# Altium PCB LimeNet-Micro_2v1.PcbDoc (part 4 of 11)
Units mm, origin at the board's own origin, x right, y up, seen from the top; angles counter-clockwise.
Board outline 75 x 143 mm, 6 copper layers (Top, L2, L3, L4, L5, Bottom), stack 1.583 mm thick; 795 components, 565 nets, 3646 pads, 1420 vias.
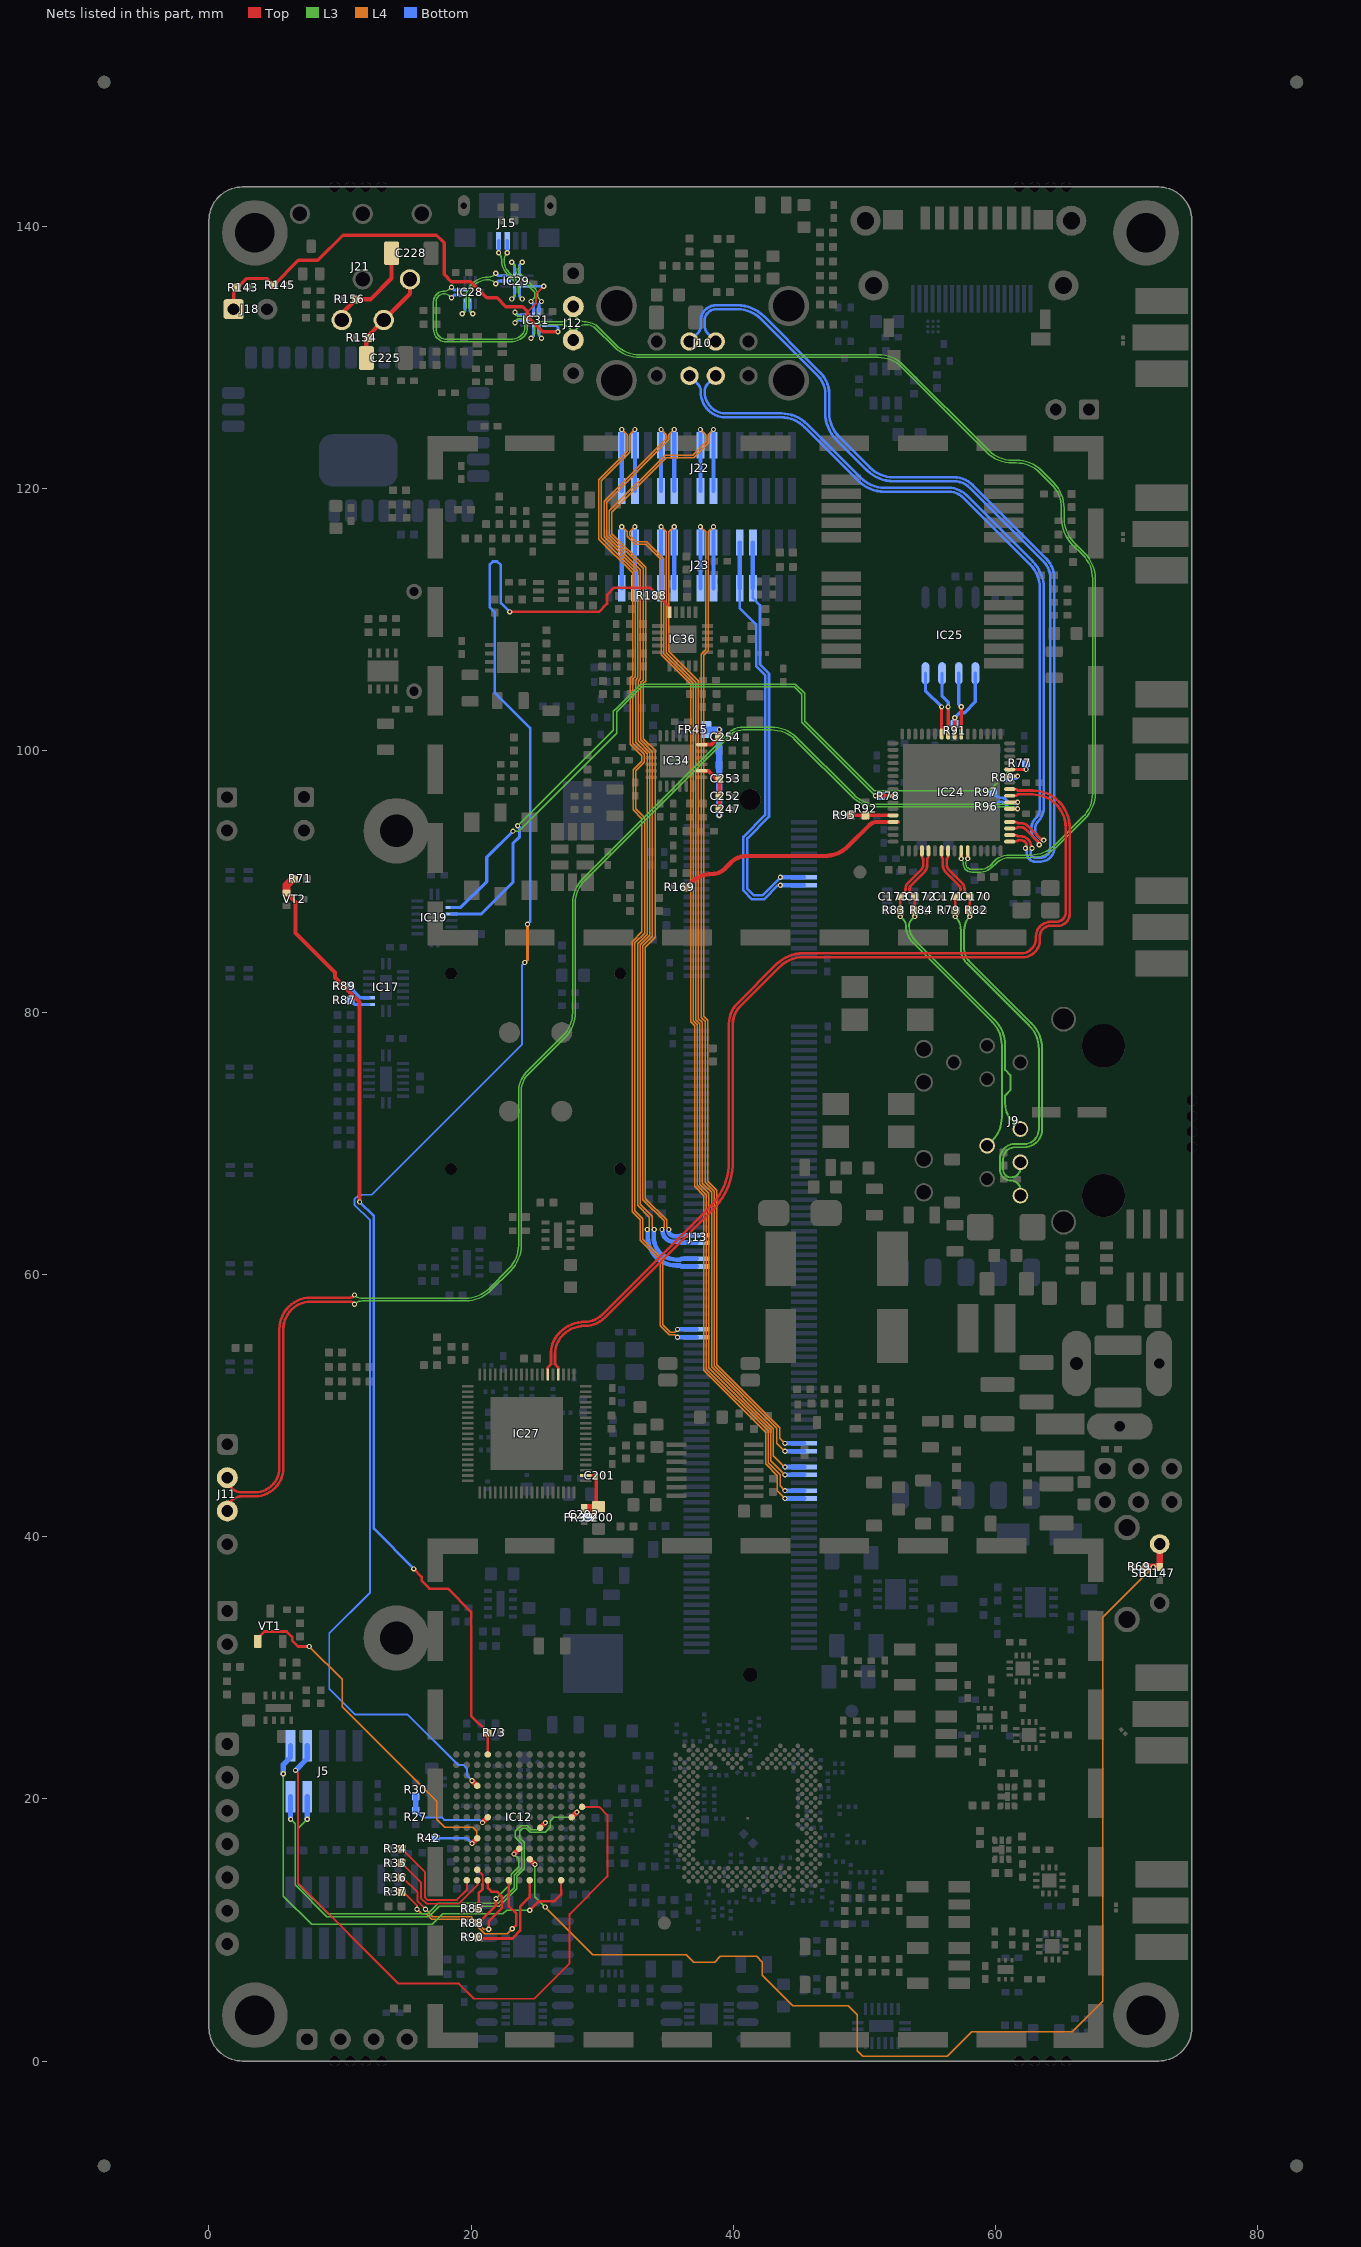
[diagram p8: the nets of this part, all layers, seen from the top]

## Part data (continued)
R86: library part Res_0402, Manufacturer=Yageo, Manufacturer Part Number 1=RC0402FR-071ML, Operating Temperature="-55°C ~ 155°C", Package / Case="0402 (1005 Metric)", Power (Watts)="0.063W, 1/16W", Supplier Device Package=0402, Supplier Part Number 1=311-1.00MLRCT-ND, Temperature Coefficient=±100ppm/°C, Tolerance=±1%, Category=Resistors, Composition="Thick Film", Failure Rate=-, Features="Moisture Resistant", Height - Seated (Max)="0.016\" (0.40mm)", Packaging="Cut Tape (CT)", Part Description="1 MOhms ±1% 0.063W, 1/16W Chip Resistor 0402 (1005 Metric) Moisture Resistant Thick Film", Part Status=Active, RoHS="RoHS Compliant", Size / Dimension="0.039\" L x 0.020\" W (1.00mm x 0.50mm)", Supplier 1=Digi-Key
R93: library part Res_0402, Manufacturer="Samsung Electro-Mechanics", Manufacturer Part Number 1=RC1005F123CS, Operating Temperature="-55°C ~ 155°C", Package / Case="0402 (1005 Metric)", Power (Watts)="0.063W, 1/16W", Supplier Device Package=0402, Supplier Part Number 1=1276-4122-1-ND, Temperature Coefficient=±100ppm/°C, Tolerance=±1%, Category=Resistors, Composition="Thick Film", Failure Rate=-, Features="Moisture Resistant", Height - Seated (Max)="0.016\" (0.40mm)", Packaging="Cut Tape (CT)", Part Description="12 kOhms ±1% 0.063W, 1/16W Chip Resistor 0402 (1005 Metric) Moisture Resistant Thick Film", Part Status=Active, RoHS="RoHS Compliant", Size / Dimension="0.039\" L x 0.020\" W (1.00mm x 0.50mm)", Supplier 1=Digi-Key
R94: library part Res_0402, Manufacturer=Yageo, Manufacturer Part Number=RT0402BRE0712K4L, Operating Temperature="-55°C ~ 155°C", Package / Case="0402 (1005 Metric)", Power (Watts)="0.063W, 1/16W", Supplier Device Package=0402, Supplier Part Number 1=YAG4337CT-ND, Temperature Coefficient=±50ppm/°C, Tolerance=±0.1%, Category=Resistors, Composition="Thin Film", Failure Rate=-, Features=-, Height - Seated (Max)="0.014\" (0.35mm)", Manufacturer Part Number 1=RT0402BRE0712K4L, Packaging="Cut Tape (CT)", Part Description="12.4 kOhms ±0.1% 0.063W, 1/16W Chip Resistor 0402 (1005 Metric)  Thin Film", Part Status=Active, RoHS="RoHS Compliant", Size / Dimension="0.039\" L x 0.020\" W (1.00mm x 0.50mm)", Supplier 1=Digi-Key
R100 R101 R160 R208: library part Res_0402, Manufacturer="Panasonic Electronic Components", Manufacturer Part Number 1=ERJ-2RKF4422X, Operating Temperature="-55°C ~ 155°C", Package / Case="0402 (1005 Metric)", Power (Watts)="0.1W, 1/10W", Resistance (Ohms)=44.2k, Supplier Device Package=0402, Supplier Part Number 1=P44.2KLCT-ND, Temperature Coefficient=±100ppm/°C, Tolerance=±1%, Category=Resistors, Composition="Thick Film", Features="Automotive AEC-Q200", Height="0.016\" (0.40mm)", Number of Terminations=2, Packaging="Cut Tape (CT)", Part Description="RES SMD 44.2K OHM 1% 1/10W 0402", RoHS="RoHS Compliant", Size / Dimension="0.039\" L x 0.020\" W (1.00mm x 0.50mm)", Supplier 1=Digi-Key
  R101: Assembly Info=NF
R103: library part Res_0402, Manufacturer=Yageo, Manufacturer Part Number 1=RC0402FR-074K7L, Operating Temperature="-55°C ~ 155°C", Package / Case="0402 (1005 Metric)", Power (Watts)="0.063W, 1/16W", Supplier Device Package=0402, Supplier Part Number 1=311-4.7KLRCT-ND, Temperature Coefficient=±100ppm/°C, Tolerance=±1%, Assembly Info=NF, Category=Resistors, ComponentLink1Description=http://www.yageo.com/documents/recent/PYu-RC_Group_51_RoHS_L_7.pdf, ComponentLink1URL=http://www.yageo.com/documents/recent/PYu-RC_Group_51_RoHS_L_7.pdf, Composition="Thick Film", Failure Rate=-, Features="Moisture Resistant", Height - Seated (Max)="0.016\" (0.40mm)", Packaging="Cut Tape (CT)", Part Description="±1% 0.063W, 1/16W Chip Resistor 0402 (1005 Metric) Moisture Resistant Thick Film", Part Status=Active, Pricing 1="1=0.1, 10=0.014, 100=0.0056, 1000=0.00253, 2500=0.0022, 5000=0.00181 (USD)", RoHS="RoHS Compliant", Size / Dimension="0.039\" L x 0.020\" W (1.00mm x 0.50mm)", Stock 1=4788231, Supplier 1=Digi-Key
R108: library part Res_0402, Manufacturer=Yageo, Manufacturer Part Number 1=RC0402FR-071K6L, Operating Temperature="-55°C ~ 155°C", Package / Case="0402 (1005 Metric)", Power (Watts)="0.063W, 1/16W", Resistance (Ohms)=1.6k, Supplier Device Package=0402, Supplier Part Number 1=YAG3045CT-ND, Temperature Coefficient=±100ppm/°C, Tolerance=±1%, Category=Resistors, Composition="Thick Film", Features="Moisture Resistant", Height="0.016\" (0.40mm)", Number of Terminations=2, Packaging="Cut Tape (CT)", Part Description="RES SMD 1.6K OHM 1% 1/16W 0402", RoHS="RoHS Compliant", Size / Dimension="0.039\" L x 0.020\" W (1.00mm x 0.50mm)", Supplier 1=Digi-Key
R110 R111 R115 R116 R124 R125 R131 R145 R150 R151: library part Res_0402, Manufacturer="Vishay Dale", Manufacturer Part Number=CRCW0402100KFKEDC, Manufacturer Part Number 1=ERJ-2GEJ104X, Operating Temperature="-55°C ~ 155°C", Package / Case="0402 (1005 Metric)", Power (Watts)="0.063W, 1/16W", Resistance (Ohms)=100k, Supplier Device Package=0402, Supplier Part Number 1=541-3960-1-ND, Temperature Coefficient=±100ppm/°C, Tolerance=±1%, Category=Resistors, Composition="Thick Film", Failure Rate=-, Features="Automotive AEC-Q200", Height="0.016\" (0.40mm)", Height - Seated (Max)="0.014\" (0.35mm)", Number of Terminations=2, Packaging="Cut Tape (CT)", Part Description="RES SMD 100K OHM 1% 1/10W 0402", Part Status=Active, RoHS="RoHS Compliant", Size / Dimension="0.039\" L x 0.020\" W (1.00mm x 0.50mm)", Supplier 1=Digi-Key
R112 R135 R136 R137 R139 R140 R142 R175: library part Res_0402, Manufacturer=Yageo, Manufacturer Part Number 1=RC0402FR-0722RL, Resistance (Ohms)=22, Supplier Device Package=0402, Supplier Part Number 1=311-22.0LRTR-ND, Temperature Coefficient=±100ppm/°C, Tolerance=±1%, Category=Resistors, Composition="Thick Film", Part Description="RES SMD 22 OHM 1% 1/16W 0402", Supplier 1=Digi-Key
  R175: Assembly Info=NF
R117 R118 R119 R120 R235 R239 R241: library part Res_0402, Manufacturer="Vishay Dale", Manufacturer Part Number 1=CRCW08050000Z0EA, Operating Temperature="-55°C ~ 155°C", Package / Case="0805 (2012 Metric)", Power (Watts)="0.125W, 1/8W", Resistance (Ohms)=0.0, Supplier Part Number 1=541-0.0ATR-ND, Temperature Coefficient=-, Tolerance=Jumper, Category=Resistors, Composition="Thick Film", Features="Automotive AEC-Q200", Height="0.020\" (0.50mm)", Number of Terminations=2, Packaging="Tape & Reel (TR)", Part Description="RES SMD 0.0 OHM JUMPER 1/8W 0805", RoHS="RoHS Compliant", Size / Dimension="0.079\" L x 0.049\" W (2.00mm x 1.25mm)", Supplier 1=Digi-Key, Supplier Device Package="0805 (2012 Metric)"
  R119 R235 R239 R241: Assembly Info=NF
R138: library part Res_0402, Manufacturer=Yageo, Manufacturer Part Number 1=RC0402FR-0747K5L, Operating Temperature="-55°C ~ 155°C", Package / Case="0402 (1005 Metric)", Power (Watts)="0.063W, 1/16W", Resistance (Ohms)=47.5k, Supplier Device Package=0402, Supplier Part Number 1=311-47.5KLRCT-ND, Temperature Coefficient=±100ppm/°C, Tolerance=±1%, Category=Resistors, Composition="Thick Film", Failure Rate=-, Features="Moisture Resistant", Height - Seated (Max)="0.016\" (0.40mm)", Packaging="Cut Tape (CT)", Part Description="RES SMD 47.5K OHM 1% 1/16W 0402", Part Status=Active, RoHS="RoHS Compliant", Size / Dimension="0.039\" L x 0.020\" W (1.00mm x 0.50mm)", Supplier 1=Digi-Key
R141: library part Res_0402, Manufacturer="TE CONNECTIVITY", Manufacturer Part Number 1=CRG0402F1M0, Power Rating=63, Resistance=1, Resistance Tolerance="± 1%", Resistor Case Style="0402 [1005 Metric]", Resistor Element Material="Thick Film", Supplier Part Number 1=2331481, Temperature Coefficient="± 100", Voltage Rating=50, MSL=-, Packaging="Cut Tape", Part Description="RES SMD 1M OHM 1% 1/16W 0402", Product Range="CRG Series", RoHS=YES, Supplier 1=Farnell, SVHC="No SVHC (16-Jun-2014"
R182 R223: library part Res_0402, Manufacturer="Panasonic Electronic Components", Manufacturer Part Number 1=ERA-2AED471X, Operating Temperature="-55°C ~ 155°C", Package / Case="0402 (1005 Metric)", Power (Watts)="0.063W, 1/16W", Resistance (Ohms)=470, Supplier Device Package=0402, Supplier Part Number 1=P470DETR-ND, Temperature Coefficient=±25ppm/°C, Tolerance=±0.5%, Category=Resistors, Composition="Thin Film", Features="Automotive AEC-Q200", Height="0.016\" (0.40mm)", Number of Terminations=2, Packaging="Tape & Reel (TR)", RoHS="RoHS Compliant", Size / Dimension="0.039\" L x 0.020\" W (1.00mm x 0.50mm)", Supplier 1=Digi-Key
  R182: Part Description="RES SMD 470 OHM 0.5% 1/16W 0402"
  R223: Assembly Info=NF
R190: library part Res_0402, Manufacturer=Yageo, Manufacturer Part Number 1=RC0402JR-07330RL, Operating Temperature="-55°C ~ 155°C", Package / Case="0402 (1005 Metric)", Power (Watts)="0.063W, 1/16W", Resistance (Ohms)=330, Supplier Device Package=0402, Supplier Part Number 1=311-330JRTR-ND, Temperature Coefficient=±100ppm/°C, Tolerance=±5%, Category=Resistors, Composition="Thick Film", Features="Moisture Resistant", Height="0.016\" (0.40mm)", Number of Terminations=2, Packaging="Tape & Reel (TR)", Part Description="RES SMD 330 OHM 5% 1/16W 0402", RoHS="RoHS Compliant", Size / Dimension="0.039\" L x 0.020\" W (1.00mm x 0.50mm)", Supplier 1=Digi-Key
R199 R216: library part Res_0603, Case/Package=0603, Manufacturer=Vishay, Manufacturer Part Number 1=CRCW060310R0FKEAC, Power Rating=100mW, Resistance=10R, Supplier Part Number 1=541-3952-1-ND, Tolerance=1%, Lead Free="Lead Free", Part Description="10 Ohms ±1% 0.1W, 1/10W Chip Resistor 0603 (1608 Metric)  Thick Film", Pricing 1="1=0.1, 10=0.03, 100=0.0123, 1000=0.00554, 2500=0.00481 (USD)", Stock 1=763669, Supplier 1=Digi-Key
R200: library part Res_0402, Case/Package=0805, Case Code (Metric)=2012, Manufacturer=Yageo, Manufacturer Part Number 1=RC0805FR-0739KL, Max Operating Temperature=155°C, Max Power Dissipation=125mW, Min Operating Temperature=-55°C, Package Quantity=1, Resistance=39kR, Supplier Part Number 1=311-39.0KCRCT-ND, Temperature Coefficient=100ppm/°C, Tolerance=1%, Voltage Rating=150V, Case Code (Imperial)=0805, ComponentLink1Description=http://www.yageo.com/documents/recent/PYu-RC_Group_51_RoHS_L_10.pdf, ComponentLink1URL=http://www.yageo.com/documents/recent/PYu-RC_Group_51_RoHS_L_10.pdf, ComponentLink2Description=http://www.yageo.com/documents/recent/PYu-RC_Group_51_RoHS_L_9.pdf, ComponentLink2URL=http://www.yageo.com/documents/recent/PYu-RC_Group_51_RoHS_L_9.pdf, ComponentLink3Description=http://www.yageo.com/documents/recent/PYu-RC0402_51_RoHS_L_6_r.pdf, ComponentLink3URL=http://www.yageo.com/documents/recent/PYu-RC0402_51_RoHS_L_6_r.pdf, ComponentLink4Description=http://www.mouser.com/ds/2/447/PYu-RC0402_51_RoHS_L_6_r-8721.pdf, ComponentLink4URL=http://www.mouser.com/ds/2/447/PYu-RC0402_51_RoHS_L_6_r-8721.pdf, ComponentLink5Description=http://www.farnell.com/datasheets/1018594.pdf, ComponentLink5URL=http://www.farnell.com/datasheets/1018594.pdf, ComponentLink6Description=https://www.verical.com/server-webapp/html/getDatasheet?partID=344453, ComponentLink6URL=https://www.verical.com/server-webapp/html/getDatasheet?partID=344453, ComponentLink7Description=http://documents.rs-components.com/techlib://itc_doclist_GB.htm?stockno=6183331, ComponentLink7URL=http://documents.rs-components.com/techlib://itc_doclist_GB.htm?stockno=6183331, Composition="Thick Film", Depth=1.25mm, Features="Moisture Resistant", Height=0.5mm, Lead Free="Lead Free", Length=2mm, Military Standard=Not, Number of Terminations=2, Packaging="Tape and Reel", Part Description="39 kOhms ±1% 0.125W, 1/8W Chip Resistor 0805 (2012 Metric) Moisture Resistant Thick Film", Power Rating=125mW, Pricing 1="1=0.1, 10=0.042, 100=0.017, 1000=0.00762, 2500=0.00662 (USD)", REACH SVHC=Unknown, Stock 1=525363, Supplier 1=Digi-Key, Termination=SMD/SMT, Weight=0.000194oz, Width=1.25mm, Working Voltage=150V
R201: library part Res_0402, Case/Package=Molded, Manufacturer=Vishay, Manufacturer Part Number 1=CRCW080510R0FKEAC, Max Operating Temperature=155°C, Min Operating Temperature=-55°C, Power Rating=125mW, Resistance=10R, Supplier Part Number 1=541-4132-1-ND, Temperature Coefficient=100ppm/°C, Tolerance=1%, Composition="Thick Film", Contact Plating=Tin, Lead Free="Lead Free", Length=2mm, Mount="Surface Mount", Part Description="10 Ohms ±1% 0.125W, 1/8W Chip Resistor 0805 (2012 Metric)  Thick Film", Pricing 1="1=0.1, 10=0.048, 100=0.0195, 1000=0.00875, 2500=0.00759 (USD)", Stock 1=434349, Supplier 1=Digi-Key, Termination=Wraparound
R202: library part Res_0402, Case/Package=0402, Case Code (Metric)=1005, Manufacturer=Yageo, Manufacturer Part Number 1=RC0402FR-0724K9L, Max Operating Temperature=155°C, Max Power Dissipation=63mW, Min Operating Temperature=-55°C, Package Quantity=1, Power Rating=62.5mW, Resistance=24.9kR, Supplier Part Number 1=311-24.9KLRCT-ND, Temperature Coefficient=100ppm/°C, Tolerance=1%, Voltage Rating=50V, Case Code (Imperial)=0402, ComponentLink1Description=http://www.yageo.com/documents/recent/PYu-RC_Group_51_RoHS_L_9.pdf, ComponentLink1URL=http://www.yageo.com/documents/recent/PYu-RC_Group_51_RoHS_L_9.pdf, ComponentLink2Description=http://www.yageo.com/documents/recent/PYu-RC_Group_51_RoHS_L_10.pdf, ComponentLink2URL=http://www.yageo.com/documents/recent/PYu-RC_Group_51_RoHS_L_10.pdf, ComponentLink3Description=http://www.mouser.com/ds/2/447/PYu-RC0402_51_RoHS_L_6_r-8721.pdf, ComponentLink3URL=http://www.mouser.com/ds/2/447/PYu-RC0402_51_RoHS_L_6_r-8721.pdf, ComponentLink4Description=http://www.yageo.com/documents/recent/PYu-RC0402_51_RoHS_L_6.pdf, ComponentLink4URL=http://www.yageo.com/documents/recent/PYu-RC0402_51_RoHS_L_6.pdf, ComponentLink5Description=http://www.yageo.com/documents/recent/PYu-RC0402_51_RoHS_L_6_r.pdf, ComponentLink5URL=http://www.yageo.com/documents/recent/PYu-RC0402_51_RoHS_L_6_r.pdf, Composition="Thick Film", Contact Plating=Matte,Tin, Depth=0.5mm, Features="Moisture Resistant", Height=0.016inch, Lead Free="Lead Free", Length=1mm, Military Standard=Not, Number of Terminations=2, Packaging="Tape and Reel", Part Description="24.9 kOhms ±1% 0.063W, 1/16W Chip Resistor 0402 (1005 Metric) Moisture Resistant Thick Film", Pricing 1="1=0.1, 10=0.016, 100=0.0067, 1000=0.00301, 2500=0.00261, 5000=0.00215 (USD)", Stock 1=9706655, Supplier 1=Digi-Key, Termination=SMD/SMT, Voltage Rating (DC)=50V, Width=0.02inch
R204: library part Res_0603, Case/Package=0603, Case Code (Metric)=1608, Manufacturer=Yageo, Manufacturer Part Number 1=RC0603FR-0790R9L, Max Operating Temperature=155°C, Min Operating Temperature=-55°C, Package Quantity=5000, Power Rating=100mW, Resistance=90.9R, Supplier Part Number 1=311-90.9HRCT-ND, Temperature Coefficient=100ppm/°C, Tolerance=1%, Voltage Rating=50V, Case Code (Imperial)=0603, ComponentLink1Description=https://www.verical.com/server-webapp/html/getDatasheet?partID=326528, ComponentLink1URL=https://www.verical.com/server-webapp/html/getDatasheet?partID=326528, ComponentLink2Description=http://www.mouser.com/ds/2/447/RC0603-1212058.pdf, ComponentLink2URL=http://www.mouser.com/ds/2/447/RC0603-1212058.pdf, Composition="Thick Film", Depth=0.8mm, Height=0.45mm, Lead Free="Lead Free", Length=1.6mm, Military Standard=Not, Packaging="Tape and Reel", Part Description="90.9 Ohms ±1% 0.1W, 1/10W Chip Resistor 0603 (1608 Metric) Moisture Resistant Thick Film", Pricing 1="1=0.1, 10=0.024, 100=0.0097, 1000=0.00437, 2500=0.00379 (USD)", Stock 1=499655, Supplier 1=Digi-Key, Termination=SMD/SMT, Voltage Rating (DC)=50V, Width=0.8mm
R205: library part Res_0402, Case/Package=0805, Case Code (Metric)=2012, Manufacturer=Yageo, Manufacturer Part Number 1=RC0805FR-0720RL, Max Operating Temperature=155°C, Max Power Dissipation=125mW, Min Operating Temperature=-55°C, Package Quantity=1, Resistance=20R, Supplier Part Number 1=311-20.0CRCT-ND, Temperature Coefficient=100ppm/°C, Tolerance=1%, Voltage Rating=150V, Case Code (Imperial)=0805, ComponentLink1Description=http://www.yageo.ru/pdf/RC0805.pdf, ComponentLink1URL=http://www.yageo.ru/pdf/RC0805.pdf, ComponentLink2Description=http://www.yageo.com/documents/recent/PYu-RC_Group_51_RoHS_L_9.pdf, ComponentLink2URL=http://www.yageo.com/documents/recent/PYu-RC_Group_51_RoHS_L_9.pdf, ComponentLink3Description=http://www.mouser.com/ds/2/447/Yageo_08112016_RC0805-968729.pdf, ComponentLink3URL=http://www.mouser.com/ds/2/447/Yageo_08112016_RC0805-968729.pdf, ComponentLink4Description=http://www.yageo.com.tw/exep/pages/download/literatures/PYu-R_INT-thick_7.pdf, ComponentLink4URL=http://www.yageo.com.tw/exep/pages/download/literatures/PYu-R_INT-thick_7.pdf, Composition="Thick Film", Depth=1.25mm, Features="Moisture Resistant", Height=0.5mm, Lead Free="Lead Free", Length=2mm, Mount="Surface Mount", Number of Terminations=2, Packaging="Tape and Reel", Part Description="20 Ohms ±1% 0.125W, 1/8W Chip Resistor 0805 (2012 Metric) Moisture Resistant Thick Film", Power Rating=125mW, Pricing 1="1=0.1, 10=0.042, 100=0.017, 1000=0.00762, 2500=0.00662 (USD)", Stock 1=1143653, Supplier 1=Digi-Key, Termination=SMD/SMT, Voltage Rating (DC)=150V, Weight=0.000194oz, Width=0.049inch, Working Voltage=150V
R206 R215: library part Res_0402, Case/Package=0402, Case Code (Metric)=1005, Manufacturer=Yageo, Manufacturer Part Number 1=RC0402FR-07680RL, Max Operating Temperature=155°C, Min Operating Temperature=-55°C, Power Rating=63mW, Resistance=680R, Supplier Part Number 1=311-680LRCT-ND, Temperature Coefficient=100ppm/°C, Tolerance=1%, Voltage Rating=50V, Case Code (Imperial)=0402, ComponentLink1Description=http://www.farnell.com/datasheets/1018594.pdf, ComponentLink1URL=http://www.farnell.com/datasheets/1018594.pdf, ComponentLink2Description=http://www.mouser.com/ds/2/447/PYu-RC0402_51_RoHS_L_6_r-8721.pdf, ComponentLink2URL=http://www.mouser.com/ds/2/447/PYu-RC0402_51_RoHS_L_6_r-8721.pdf, ComponentLink3Description=http://www.yageo.com/documents/recent/PYu-RC0402_51_RoHS_L_6_r.pdf, ComponentLink3URL=http://www.yageo.com/documents/recent/PYu-RC0402_51_RoHS_L_6_r.pdf, Composition="Thick Film", Depth=0.5mm, Lead Free="Lead Free", Length=1mm, Military Standard=Not, Packaging="Tape and Reel", Part Description="680 Ohms ±1% 0.063W, 1/16W Chip Resistor 0402 (1005 Metric) Moisture Resistant Thick Film", Pricing 1="1=0.1, 10=0.016, 100=0.0067, 1000=0.00301, 2500=0.00261, 5000=0.00215 (USD)", REACH SVHC="No SVHC", Stock 1=1817297, Supplier 1=Digi-Key, Termination=SMD/SMT
R210: library part Res_0402, Case/Package=0402, Case Code (Metric)=1005, Manufacturer=Yageo, Manufacturer Part Number 1=RC0402FR-0780K6L, Max Operating Temperature=155°C, Min Operating Temperature=-55°C, Power Rating=62.5mW, Resistance=80.6kR, Supplier Part Number 1=311-80.6KLRCT-ND, Temperature Coefficient=100ppm/°C, Tolerance=1%, Voltage Rating=50V, Case Code (Imperial)=0402, ComponentLink1Description=http://www.yageo.com/documents/recent/PYu-RC0402_51_RoHS_L_6.pdf, ComponentLink1URL=http://www.yageo.com/documents/recent/PYu-RC0402_51_RoHS_L_6.pdf, ComponentLink2Description=https://www.verical.com/server-webapp/html/getDatasheet?partID=29250, ComponentLink2URL=https://www.verical.com/server-webapp/html/getDatasheet?partID=29250, Composition="Thick Film", Contact Plating=Matte,Tin, Depth=0.5mm, Lead Free="Lead Free", Length=1mm, Military Standard=Not, Number of Terminations=2, Packaging="Tape and Reel", Part Description="80.6 kOhms ±1% 0.063W, 1/16W Chip Resistor 0402 (1005 Metric) Moisture Resistant Thick Film", Pricing 1="1=0.1, 10=0.016, 100=0.0067, 1000=0.00301, 2500=0.00261, 5000=0.00215 (USD)", Stock 1=1204034, Supplier 1=Digi-Key, Termination=SMD/SMT, Voltage Rating (DC)=50V, Working Voltage=50V
R211: library part Res_0402, Case/Package=0402, Case Code (Metric)=1005, Manufacturer=Yageo, Manufacturer Part Number 1=RC0402FR-0759KL, Max Operating Temperature=155°C, Max Power Dissipation=63mW, Min Operating Temperature=-55°C, Package Quantity=1, Power Rating=62.5mW, Resistance=59kR, Supplier Part Number 1=311-59KLRCT-ND, Temperature Coefficient=100ppm/°C, Tolerance=1%, Voltage Rating=50V, Case Code (Imperial)=0402, ComponentLink1Description=http://www.yageo.com/documents/recent/PYu-RC_Group_51_RoHS_L_9.pdf, ComponentLink1URL=http://www.yageo.com/documents/recent/PYu-RC_Group_51_RoHS_L_9.pdf, ComponentLink2Description=http://www.yageo.com/documents/recent/PYu-RC_Group_51_RoHS_L_10.pdf, ComponentLink2URL=http://www.yageo.com/documents/recent/PYu-RC_Group_51_RoHS_L_10.pdf, ComponentLink3Description=http://www.yageo.com.tw/exep/pages/download/literatures/PYu-R_INT-thick_7.pdf, ComponentLink3URL=http://www.yageo.com.tw/exep/pages/download/literatures/PYu-R_INT-thick_7.pdf, ComponentLink4Description=http://www.yageo.com/documents/recent/PYu-RC0402_51_RoHS_L_6.pdf, ComponentLink4URL=http://www.yageo.com/documents/recent/PYu-RC0402_51_RoHS_L_6.pdf, Composition="Thick Film", Contact Plating=Matte,Tin, Depth=0.5mm, Features="Moisture Resistant", Height=0.016inch, Lead Free="Lead Free", Length=1mm, Military Standard=Not, Number of Terminations=2, Packaging="Tape and Reel", Part Description="59 kOhms ±1% 0.063W, 1/16W Chip Resistor 0402 (1005 Metric) Moisture Resistant Thick Film", Pricing 1="1=0.1, 10=0.016, 100=0.0067, 1000=0.00301, 2500=0.00261, 5000=0.00215 (USD)", Stock 1=1248616, Supplier 1=Digi-Key, Termination=SMD/SMT, Voltage Rating (DC)=50V, Width=0.02inch
R213: library part Res_0402, Case/Package=0402, Case Code (Metric)=1005, Manufacturer=Yageo, Manufacturer Part Number 1=RC0402FR-072KL, Max Operating Temperature=155°C, Max Power Dissipation=63mW, Min Operating Temperature=-55°C, Package Quantity=1, Resistance=2kR, Supplier Part Number 1=311-2KLRCT-ND, Temperature Coefficient=100ppm/°C, Tolerance=1%, Voltage Rating=50V, Case Code (Imperial)=0402, ComponentLink1Description=http://www.yageo.com/documents/recent/PYu-RC_Group_51_RoHS_L_10.pdf, ComponentLink1URL=http://www.yageo.com/documents/recent/PYu-RC_Group_51_RoHS_L_10.pdf, ComponentLink2Description=http://documents.rs-components.com/techlib://itc_doclist_GB.htm?stockno=6186510, ComponentLink2URL=http://documents.rs-components.com/techlib://itc_doclist_GB.htm?stockno=6186510, ComponentLink3Description=https://www.verical.com/server-webapp/html/getDatasheet?partID=358921, ComponentLink3URL=https://www.verical.com/server-webapp/html/getDatasheet?partID=358921, ComponentLink4Description=http://www.mouser.com/ds/2/447/PYu-RC0402_51_RoHS_L_6_r-8721.pdf, ComponentLink4URL=http://www.mouser.com/ds/2/447/PYu-RC0402_51_RoHS_L_6_r-8721.pdf, ComponentLink5Description=http://www.farnell.com/datasheets/1018594.pdf, ComponentLink5URL=http://www.farnell.com/datasheets/1018594.pdf, ComponentLink6Description=http://www.farnell.com/datasheets/2167052.pdf, ComponentLink6URL=http://www.farnell.com/datasheets/2167052.pdf, Composition="Thick Film", Depth=0.5mm, Features="Moisture Resistant", Height=0.016inch, Lead Free="Lead Free", Length=1mm, Military Standard=Not, Number of Terminations=2, Packaging="Tape and Reel", Part Description="2 kOhms ±1% 0.063W, 1/16W Chip Resistor 0402 (1005 Metric) Moisture Resistant Thick Film", Power Rating=63mW, Pricing 1="1=0.1, 10=0.016, 100=0.0067, 1000=0.00301, 2500=0.00261, 5000=0.00215 (USD)", REACH SVHC=Unknown, Stock 1=14304011, Supplier 1=Digi-Key, Termination=SMD/SMT, Voltage Rating (DC)=50V, Width=0.02inch, Working Voltage=50V
R214: library part Res_0402, Case/Package=0402, Case Code (Metric)=1005, Manufacturer=Yageo, Manufacturer Part Number 1=RC0402FR-0714K3L, Max Operating Temperature=155°C, Max Power Dissipation=63mW, Min Operating Temperature=-55°C, Power Rating=62.5mW, Resistance=14.3kR, Supplier Part Number 1=YAG2983CT-ND, Temperature Coefficient=100ppm/°C, Tolerance=1%, Voltage Rating=50V, Case Code (Imperial)=0402, ComponentLink1Description=http://www.yageo.com/documents/recent/PYu-RC0402_51_RoHS_L_6.pdf, ComponentLink1URL=http://www.yageo.com/documents/recent/PYu-RC0402_51_RoHS_L_6.pdf, ComponentLink2Description=http://www.yageo.com/documents/recent/PYu-RC0402_51_RoHS_L_6_r.pdf, ComponentLink2URL=http://www.yageo.com/documents/recent/PYu-RC0402_51_RoHS_L_6_r.pdf, Composition="Thick Film", Contact Plating=Matte,Tin, Depth=0.5mm, Features="Moisture Resistant", Height=0.016inch, Lead Free="Lead Free", Length=1mm, Military Standard=Not, Number of Terminations=2, Packaging="Tape and Reel", Part Description="14.3 kOhms ±1% 0.063W, 1/16W Chip Resistor 0402 (1005 Metric) Moisture Resistant Thick Film", Pricing 1="1=0.1, 10=0.016, 100=0.0067, 1000=0.00301, 2500=0.00261, 5000=0.00215 (USD)", Radiation Hardening=No, Stock 1=463049, Supplier 1=Digi-Key, Termination=SMD/SMT, Voltage Rating (DC)=50V, Width=0.5mm, Working Voltage=50V
R218: library part Res_0402, Case/Package=1206, Case Code (Metric)=3216, Manufacturer=Yageo, Manufacturer Part Number 1=RL1206FR-070R5L, Max Operating Temperature=125°C, Min Operating Temperature=-55°C, Power Rating=250mW, Resistance=500mR, Supplier Part Number 1=311-0.5LWCT-ND, Temperature Coefficient=300ppm/°C, Tolerance=1%, Case Code (Imperial)=1206, ComponentLink1Description=http://www.yageo.com/documents/recent/PYu-RL_521_RoHS_L_5.pdf, ComponentLink1URL=http://www.yageo.com/documents/recent/PYu-RL_521_RoHS_L_5.pdf, ComponentLink2Description=http://www.mouser.com/ds/2/447/PYu-RL_521_RoHS_L_5-2927.pdf, ComponentLink2URL=http://www.mouser.com/ds/2/447/PYu-RL_521_RoHS_L_5-2927.pdf, Composition="Thick Film", Contact Plating=Matte,Tin, Depth=1.6mm, Height=0.55mm, Lead Free="Lead Free", Length=3.1mm, Military Standard=Not, Packaging="Tape and Reel", Part Description="500 mOhms ±1% 0.25W, 1/4W Chip Resistor 1206 (3216 Metric) Automotive AEC-Q200, Current Sense, Moisture Resistant Thick Film", Pricing 1="1=0.42, 10=0.299, 100=0.1195, 1000=0.05891, 2500=0.05457 (USD)", Radiation Hardening=No, Stock 1=131614, Supplier 1=Digi-Key, Termination=SMD/SMT, Width=1.6mm
R220: library part Res_0402, Manufacturer="Vishay Dale", Manufacturer Part Number 1=CRCW0402560RFKED, Operating Temperature="-55°C ~ 155°C", Package / Case="0402 (1005 Metric)", Power (Watts)="0.063W, 1/16W", Resistance (Ohms)=560, Supplier Part Number 1=541-560LCT-ND, Temperature Coefficient=±100ppm/°C, Tolerance=±1%, Category=Resistors, Composition="Thick Film", Features="Automotive AEC-Q200", Height="0.016\" (0.40mm)", Number of Terminations=2, Packaging="Cut Tape (CT)", Part Description="RES SMD 560 OHM 1% 1/16W 0402", RoHS="RoHS Compliant", Size / Dimension="0.039\" L x 0.020\" W (1.00mm x 0.50mm)", Supplier 1=Digi-Key, Supplier Device Package="0402 (1005 Metric)"
R221 R222: library part Res_0402, Manufacturer=Yageo, Manufacturer Part Number 1=RC0402FR-07118KL, Operating Temperature="-55°C ~ 155°C", Package / Case="0402 (1005 Metric)", Power (Watts)="0.063W, 1/16W", Supplier Device Package=0402, Supplier Part Number 1=YAG2369CT-ND, Temperature Coefficient=±100ppm/°C, Tolerance=±1%, Category=Resistors, Composition="Thick Film", Failure Rate=-, Features="Moisture Resistant", Height - Seated (Max)="0.016\" (0.40mm)", Packaging="Cut Tape (CT)", Part Description="118 kOhms ±1% 0.063W, 1/16W Chip Resistor 0402 (1005 Metric) Moisture Resistant Thick Film", Part Status=Active, RoHS="RoHS Compliant", Size / Dimension="0.039\" L x 0.020\" W (1.00mm x 0.50mm)", Supplier 1=Digi-Key
R225 R226: library part Res_0402, Manufacturer=Yageo, Manufacturer Part Number 1=RC0402JR-07150KL, Operating Temperature="-55°C ~ 155°C", Package / Case="0402 (1005 Metric)", Power (Watts)="0.063W, 1/16W", Supplier Device Package=0402, Supplier Part Number 1=311-150KJRCT-ND, Temperature Coefficient=±100ppm/°C, Tolerance=±5%, Category=Resistors, Composition="Thick Film", Failure Rate=-, Features="Moisture Resistant", Height - Seated (Max)="0.016\" (0.40mm)", Packaging="Cut Tape (CT)", Part Description="150 kOhms ±5% 0.063W, 1/16W Chip Resistor 0402 (1005 Metric) Moisture Resistant Thick Film", Part Status=Active, RoHS="RoHS Compliant", Size / Dimension="0.039\" L x 0.020\" W (1.00mm x 0.50mm)", Supplier 1=Digi-Key
R227: library part Res_0402, Manufacturer=Yageo, Manufacturer Part Number 1=RC0402FR-071K6L, Operating Temperature="-55°C ~ 155°C", Package / Case="0402 (1005 Metric)", Power (Watts)="0.063W, 1/16W", Supplier Device Package=0402, Supplier Part Number 1=YAG3045CT-ND, Temperature Coefficient=±100ppm/°C, Tolerance=±1%, Category=Resistors, Composition="Thick Film", Failure Rate=-, Features="Moisture Resistant", Height - Seated (Max)="0.016\" (0.40mm)", Packaging="Cut Tape (CT)", Part Description="1.6 kOhms ±1% 0.063W, 1/16W Chip Resistor 0402 (1005 Metric) Moisture Resistant Thick Film", Part Status=Active, RoHS="RoHS Compliant", Size / Dimension="0.039\" L x 0.020\" W (1.00mm x 0.50mm)", Supplier 1=Digi-Key
R228: library part Res_0402, Manufacturer=Yageo, Manufacturer Part Number 1=RC0402FR-07750RL, Operating Temperature="-55°C ~ 155°C", Package / Case="0402 (1005 Metric)", Power (Watts)="0.063W, 1/16W", Resistance (Ohms)=750, Supplier Device Package=0402, Supplier Part Number 1=311-750LRCT-ND, Temperature Coefficient=±100ppm/°C, Tolerance=±1%, Category=Resistors, Composition="Thick Film", Features="Moisture Resistant", Height="0.016\" (0.40mm)", Number of Terminations=2, Packaging="Cut Tape (CT)", Part Description="RES SMD 750 OHM 1% 1/16W 0402", RoHS="RoHS Compliant", Size / Dimension="0.039\" L x 0.020\" W (1.00mm x 0.50mm)", Supplier 1=Digi-Key
R231: library part Res_0402, Manufacturer=Yageo, Manufacturer Part Number 1=RC0402FR-07510RL, Operating Temperature="-55°C ~ 155°C", Package / Case="0402 (1005 Metric)", Power (Watts)="0.063W, 1/16W", Supplier Device Package=0402, Supplier Part Number 1=311-510LRCT-ND, Temperature Coefficient=±100ppm/°C, Tolerance=±1%, Category=Resistors, Composition="Thick Film", Failure Rate=-, Features="Moisture Resistant", Height - Seated (Max)="0.016\" (0.40mm)", Packaging="Cut Tape (CT)", Part Description="510 Ohms ±1% 0.063W, 1/16W Chip Resistor 0402 (1005 Metric) Moisture Resistant Thick Film", Part Status=Active, RoHS="RoHS Compliant", Size / Dimension="0.039\" L x 0.020\" W (1.00mm x 0.50mm)", Supplier 1=Digi-Key
R233 R234: library part Res_0402, Manufacturer=Yageo, Manufacturer Part Number 1=RC0402FR-07187KL, Operating Temperature="-55°C ~ 155°C", Package / Case="0402 (1005 Metric)", Power (Watts)="0.063W, 1/16W", Supplier Device Package=0402, Supplier Part Number 1=311-187KLRCT-ND, Temperature Coefficient=±100ppm/°C, Tolerance=±1%, Category=Resistors, Composition="Thick Film", Failure Rate=-, Features="Moisture Resistant", Height - Seated (Max)="0.016\" (0.40mm)", Packaging="Cut Tape (CT)", Part Description="187 kOhms ±1% 0.063W, 1/16W Chip Resistor 0402 (1005 Metric) Moisture Resistant Thick Film", Part Status=Active, RoHS="RoHS Compliant", Size / Dimension="0.039\" L x 0.020\" W (1.00mm x 0.50mm)", Supplier 1=Digi-Key
R236 R237: library part Res_0402, Manufacturer=Yageo, Manufacturer Part Number 1=RC0402FR-0782K5L, Operating Temperature="-55°C ~ 155°C", Package / Case="0402 (1005 Metric)", Power (Watts)="0.063W, 1/16W", Supplier Device Package=0402, Supplier Part Number 1=311-82.5KLRCT-ND, Temperature Coefficient=±100ppm/°C, Tolerance=±1%, Category=Resistors, Composition="Thick Film", Failure Rate=-, Features="Moisture Resistant", Height - Seated (Max)="0.016\" (0.40mm)", Packaging="Cut Tape (CT)", Part Description="82.5 kOhms ±1% 0.063W, 1/16W Chip Resistor 0402 (1005 Metric) Moisture Resistant Thick Film", Part Status=Active, RoHS="RoHS Compliant", Size / Dimension="0.039\" L x 0.020\" W (1.00mm x 0.50mm)", Supplier 1=Digi-Key
SB1: library part Button_right_edge, Contact Rating @ Voltage="0.05A @ 24VDC", Illumination Type, Color=-, Manufacturer="TE Connectivity ALCOSWITCH Switches", Manufacturer Part Number 1=1825027-5, Operating Force=160gf, Operating Temperature="-35°C ~ 85°C", Supplier Part Number 1=450-1662-ND, Actuator Height off PCB, Vertical=-, Actuator Length, Right Angle=3.86mm, Actuator Material="Polybutylene Terephthalate (PBT)", Actuator Orientation="Side Actuated", Actuator Type=Standard, Category=Switches, Circuit=SPST-NO, ComponentLink1Description=http://www.te.com/commerce/DocumentDelivery/DDEController?Action=srchrtrv&DocNm=1825027&DocType=Customer+Drawing&DocLang=English, ComponentLink1URL=http://www.te.com/commerce/DocumentDelivery/DDEController?Action=srchrtrv&DocNm=1825027&DocType=Customer+Drawing&DocLang=English, Features=-, Illumination=Non-Illuminated, Illumination Voltage (Nominal)=-, Ingress Protection=-, Mechanical Life="100,000 Cycles", Mounting Type="Through Hole, Right Angle", Outline="7.10mm x 7.00mm", Packaging=Bulk, Part Description="Tactile Switch SPST-NO Side Actuated Through Hole, Right Angle", Part Status=Active, Pricing 1="1=0.17, 10=0.169, 25=0.1628, 50=0.157, 100=0.1482, 250=0.13952, 500=0.1337, 1000=0.10173, 5000=0.08429 (USD)", RoHS="RoHS Compliant", Stock 1=19790, Supplier 1=Digi-Key, Switch Function=Off-Mom, Switch Travel=0.25mm, Termination Style="PC Pin"
T1 T2 T3 T4: library part TC1-1-13M+, Manufacturer=Minicircuits, Manufacturer Part Number 1=TC1-1-13M-45+, Part Description="RF balun; 1:1 ratio; 3 dB bandwidth: 0.3 MHz to 3.5 GHz; 3.8mm x 3.8mm", Supplier 1=Minicircuits, Supplier Part Number 1=TC1-1-13M-45+
T5: library part NA6223-AL_Flyback_transformer, Current Rating=2A, Manufacturer=Coilcraft, Manufacturer Part Number 1=NA6223-ALD, Supplier Part Number 1=994-NA6223-ALD, Part Description="Audio Transformers / Signal Transformers NA6223 10W 0.33Ohms For TPS23753A", Pricing 1="1 = 4,20000, 10 = 3,78000, 50 = 3,36000, 100 = 3,20000, 1000 = 2,49000, 10000 = 2,49000 (USD)", REACH SVHC=Unknown, RoHS=No, Stock 1=2080, Supplier 1=Mouser
VD1: library part TVS_ESD5384NCTBG, Capacitance=29pF, Manufacturer="ON Semiconductor", Manufacturer Part Number 1=ESD5384NCTBG, Max Operating Temperature=85°C, Max Reverse Leakage Current=200nA, Min Breakdown Voltage=6V, Min Operating Temperature=-30°C, Package Quantity=5000, Power Line Protection=No, Reverse Standoff Voltage=3V, Supplier Part Number 1=ESD5384NCTBGOSDKR-ND, Composition=Zener, Depth=1.14mm, Direction=Unidirectional, ESD Protection=Yes, Halogen Free="Halogen Free", Height=0.63mm, Lead Free="Lead Free", Length=1.14mm, Number of Lines=5, Number of Pins=9, Number of Unidirectional Channels=5, Packaging="Tape and Reel", Part Description="TVS DIODE 3V 9WLCSP", Pricing 1="1=0.47, 10=0.406, 100=0.3028, 500=0.23794, 1000=0.18386 (USD)", Radiation Hardening=No, Stock 1=4993, Supplier 1=Digi-Key, Width=1.14mm
VD2: library part BAV99WT1G_DUAL_DIODE, Average Rectified Current=715mA, Case/Package=SOT-323-3, Forward Voltage=1.25V, Manufacturer="ON Semiconductor", Manufacturer Part Number 1=SBAV99WT1G, Max Forward Surge Current (Ifsm)=500mA, Max Operating Temperature=150°C, Max Power Dissipation=200mW, Max Repetitive Reverse Voltage (Vrrm)=70V, Max Reverse Leakage Current=2.5uA, Max Reverse Voltage (DC)=100V, Min Operating Temperature=-65°C, Package Quantity=3000, Peak Non-Repetitive Surge Current=2A, Supplier Part Number 1=SBAV99WT1GOSCT-ND, Element Configuration=Dual, Forward Current=715mA, Halogen Free="Halogen Free", Height=0.9mm, Lead Free="Lead Free", Length=2.2mm, Max Surge Current=500mA, Number of Pins=3, Packaging="Tape and Reel", Part Description="Diode Array 1 Pair Series Connection Standard 100V 215mA (DC) Surface Mount SC-70, SOT-323", Peak Reverse Current=2.5uA, Pricing 1="1=0.32, 10=0.259, 100=0.1375, 500=0.09044, 1000=0.0615 (USD)", Radiation Hardening=No, REACH SVHC="No SVHC", Recovery Time=6ns, Reverse Recovery Time=6ns, Stock 1=1217, Supplier 1=Digi-Key, Width=1.35mm
VD3: library part DIODE_TVS_UNIDIR, Base Part Number=SMAJ58, Capacitance @ Frequency=-, Current - Peak Pulse (10/1000µs)=4.3A, Manufacturer="Diodes Incorporated", Manufacturer Part Number 1=SMAJ58A-13-F, Operating Temperature="-55°C ~ 150°C (TJ)", Package / Case="DO-214AC, SMA", Power - Peak Pulse=400W, Power Line Protection=No, Supplier Device Package=SMA, Supplier Part Number 1=SMAJ58A-13-FDICT-ND, Voltage - Breakdown (Min)=64.4V, Voltage - Clamping (Max) @ Ipp=93.6V, Voltage - Reverse Standoff (Typ)=58V, Applications="General Purpose", Category="Circuit Protection", Mounting Type="Surface Mount", Packaging="Cut Tape (CT)", Part Description="TVS DIODE 58V 93.6V SMA", Part Status=Active, RoHS="RoHS Compliant", Supplier 1=Digi-Key, Type=Zener
VD4: library part DIODE_TVS_UNIDIR, "SMAJ12CA-13-F", Base Part Number=SMBJ5V0, Capacitance @ Frequency=-, Current - Peak Pulse (10/1000µs)=65.2A, Manufacturer="ON Semiconductor", Operating Temperature="-55°C ~ 150°C (TJ)", Package / Case="DO-214AA, SMB", Power - Peak Pulse=600W, Power Line Protection=No, Supplier Device Package="DO-214AA (SMB)", Supplier Part Number 1=SMBJ5V0ACT-ND, Voltage - Breakdown (Min)=6.4V, Voltage - Clamping (Max) @ Ipp=9.2V, Voltage - Reverse Standoff (Typ)=5V, Applications="General Purpose", Assembly Info=NF, Category="Circuit Protection", Manufacturer Part Number 1=SMBJ5V0A, Mounting Type="Surface Mount", Packaging="Cut Tape (CT)", Part Description="TVS DIODE 5V 9.2V DO214AA", Part Status="Discontinued at Digi-Key", RoHS="RoHS Compliant", Supplier 1=Digi-Key, Type=Zener
VT1: library part NDS331N, "NDS331N", Current - Continuous Drain (Id) @ 25°C="6.3A (Ta)", Drive Voltage (Max Rds On,  Min Rds On)="2.5V, 4.5V", Input Capacitance (Ciss) (Max) @ Vds="700pF @ 16V", Manufacturer="Infineon Technologies", Operating Temperature="-55°C ~ 150°C (TJ)", Package / Case="TO-236-3, SC-59, SOT-23-3", Power Dissipation (Max)="1.3W (Ta)", Supplier Device Package=Micro3™/SOT-23, Supplier Part Number 1=IRLML6244TRPBFTR-ND, Category="Discrete Semiconductor Products", ComponentLink1Description=https://www.infineon.com/dgdl/irlml6244pbf.pdf?fileId=5546d462533600a4015356686fed261f, ComponentLink1URL=https://www.infineon.com/dgdl/irlml6244pbf.pdf?fileId=5546d462533600a4015356686fed261f, FET Feature=-, FET Type=N-Channel, Gate Charge (Qg) (Max) @ Vgs="8.9nC @ 4.5V", Manufacturer Part Number 1=IRLML6244TRPBF, Mounting Type="Surface Mount", Packaging="Tape & Reel (TR)", Part Description="N-Channel 20V 6.3A (Ta) 1.3W (Ta) Surface Mount Micro3™/SOT-23", Part Status=Active, Pricing 1="3000=0.09979 (USD)", Rds On (Max) @ Id, Vgs="21 mOhm @ 6.3A, 4.5V", RoHS="RoHS Compliant", Stock 1=21000, Supplier 1=Digi-Key, Technology="MOSFET (Metal Oxide)", Vgs (Max)=±12V, Vgs(th) (Max) @ Id="1.1V @ 10µA"
VT2 VT3 VT4 VT5 VT6 VT7: Current - Continuous Drain (Id) @ 25°C="630mA (Ta)", Drive Voltage (Max Rds On,  Min Rds On)="1.8V, 4.5V", Manufacturer="Diodes Incorporated", Manufacturer Part Number 1=DMG1012TQ-7, Operating Temperature="-55°C ~ 150°C (TJ)", Package / Case=SOT-523, Power Dissipation (Max)="280mW (Ta)", Supplier Part Number 1=DMG1012TQ-7DICT-ND, Category="Discrete Semiconductor Products", ComponentLink1Description=https://www.diodes.com/assets/Datasheets/ds31783.pdf, ComponentLink1URL=https://www.diodes.com/assets/Datasheets/ds31783.pdf, FET Feature=-, FET Type=N-Channel, Mounting Type="Surface Mount", Packaging="Cut Tape (CT)", Part Description="N-Channel 20V 630mA (Ta) 280mW (Ta) Surface Mount SOT-523", Part Status=Active, Pricing 1="1=0.47, 10=0.424, 100=0.2375, 500=0.12722, 1000=0.08651 (USD)", Rds On (Max) @ Id, Vgs="400 mOhm @ 600mA, 4.5V", RoHS="RoHS Compliant", Stock 1=3569, Supplier 1=Digi-Key, Supplier Device Package=SOT-523, Technology="MOSFET (Metal Oxide)", Vgs (Max)=±6V, Vgs(th) (Max) @ Id="1V @ 250µA"
VT8: library part CSD17527Q5A_NMOS, Continuous Drain Current (ID)=65A, Drain to Source Breakdown Voltage=30V, Drain to Source Resistance=10.8mR, Gate to Source Voltage (Vgs)=20V, Input Capacitance=506pF, Manufacturer="Texas Instruments", Max Operating Temperature=150°C, Max Power Dissipation=3W, Min Operating Temperature=-55°C, Package Quantity=2500, Supplier Part Number 1=296-29021-1-ND, ComponentLink1Description=http://www.st.com/web/en/resource/technical/document/datasheet/CD00103832.pdf, ComponentLink1URL=http://www.st.com/web/en/resource/technical/document/datasheet/CD00103832.pdf, ComponentLink2Description=http://www.st.com/content/ccc/resource/technical/document/datasheet/00/75/48/c3/62/90/4a/32/CD00103832.pdf/files/CD00103832.pdf/jcr:content/translations/en.CD00103832.pdf, ComponentLink2URL=http://www.st.com/content/ccc/resource/technical/document/datasheet/00/75/48/c3/62/90/4a/32/CD00103832.pdf/files/CD00103832.pdf/jcr:content/translations/en.CD00103832.pdf, ComponentLink3Description=http://www.mouser.com/ds/2/389/CD00103832-114014.pdf, ComponentLink3URL=http://www.mouser.com/ds/2/389/CD00103832-114014.pdf, ComponentLink4Description=http://www.ti.com/general/docs/lit/getliterature.tsp?genericPartNumber=CSD17527Q5A&&fileType=pdf, ComponentLink4URL=http://www.ti.com/general/docs/lit/getliterature.tsp?genericPartNumber=CSD17527Q5A&&fileType=pdf, ComponentLink5Description=http://www.ti.com/lit/ds/slps331a/slps331a.pdf, ComponentLink5URL=http://www.ti.com/lit/ds/slps331a/slps331a.pdf, ComponentLink6Description=http://www.ti.com/lit/ds/symlink/csd17527q5a.pdf, ComponentLink6URL=http://www.ti.com/lit/ds/symlink/csd17527q5a.pdf, ComponentLink7Description=http://www.ti.com/litv/slps331a, ComponentLink7URL=http://www.ti.com/litv/slps331a, Contact Plating=Tin, Drain to Source Voltage (Vdss)=30V, Element Configuration=Single, Fall Time=3.2ns, Manufacturer Part Number 1=CSD17527Q5A, Mount="Surface Mount", Number of Elements=1, Number of Pins=8, Packaging="Tape and Reel", Part Description="N-Channel 30V 65A (Tc) 3W (Ta) Surface Mount 8-VSONP (5x6)", Power Dissipation=3W, Pricing 1="1 = 1,20000, 10 = 1,06600, 100 = 0,84280, 500 = 0,65364, 1000 = 0,51603 (USD)", Radiation Hardening=No, Rds On Max=10.8mR, Rise Time=8.2ns, RoHS=Yes, Stock 1=28951, Supplier 1=Digi-Key, Turn-Off Delay Time=9.8ns, Turn-On Delay Time=5.6ns
VT9: library part SI4848DY_NMOS, Case/Package=SOIC, Continuous Drain Current (ID)=2.7A, Drain to Source Breakdown Voltage=150V, Drain to Source Resistance=85mR, Gate to Source Voltage (Vgs)=20V, Manufacturer="Vishay Siliconix", Manufacturer Part Number 1=SI4848DY-T1-E3, Max Operating Temperature=150°C, Max Power Dissipation=1.5W, Min Operating Temperature=-55°C, Package Quantity=2500, Supplier Part Number 1=SI4848DY-T1-E3CT-ND, Threshold Voltage=2V, ComponentLink1Description=http://www.st.com/web/en/resource/technical/document/datasheet/CD00103832.pdf, ComponentLink1URL=http://www.st.com/web/en/resource/technical/document/datasheet/CD00103832.pdf, ComponentLink2Description=http://www.st.com/content/ccc/resource/technical/document/datasheet/00/75/48/c3/62/90/4a/32/CD00103832.pdf/files/CD00103832.pdf/jcr:content/translations/en.CD00103832.pdf, ComponentLink2URL=http://www.st.com/content/ccc/resource/technical/document/datasheet/00/75/48/c3/62/90/4a/32/CD00103832.pdf/files/CD00103832.pdf/jcr:content/translations/en.CD00103832.pdf, ComponentLink3Description=http://www.mouser.com/ds/2/389/CD00103832-114014.pdf, ComponentLink3URL=http://www.mouser.com/ds/2/389/CD00103832-114014.pdf, ComponentLink4Description=http://www.vishay.com/docs/71356/71356.pdf, ComponentLink4URL=http://www.vishay.com/docs/71356/71356.pdf, ComponentLink5Description=http://www.farnell.com/datasheets/1866379.pdf, ComponentLink5URL=http://www.farnell.com/datasheets/1866379.pdf, ComponentLink6Description=http://www.jameco.com/Jameco/Products/ProdDS/1073931.pdf, ComponentLink6URL=http://www.jameco.com/Jameco/Products/ProdDS/1073931.pdf, ComponentLink7Description=http://datasheet.iiic.cc/vishay_[siliconix]/SI4848DY-T1-E3.pdf, ComponentLink7URL=http://datasheet.iiic.cc/vishay_[siliconix]/SI4848DY-T1-E3.pdf, Contact Plating=Matte,Tin, Drain to Source Voltage (Vdss)=150V, Element Configuration=Single, Fall Time=10ns, Height=1.55mm, Lead Free="Lead Free", Length=5mm, Mount="Surface Mount", Nominal Vgs=2V, Number of Channels=1, Number of Elements=1, Number of Pins=8, On-State Resistance=85mR, Packaging="Tape and Reel", Part Description="N-Channel 150V 2.7A (Ta) 1.5W (Ta) Surface Mount 8-SO", Power Dissipation=1.5W, Pricing 1="1 = 1,69000, 10 = 1,49500, 100 = 1,18140, 500 = 0,91620, 1000 = 0,72331 (USD)", Rds On Max=85mR, REACH SVHC=Unknown, Rise Time=10ns, RoHS=Yes, Stock 1=21882, Supplier 1=Digi-Key, Turn-Off Delay Time=24ns, Turn-On Delay Time=9ns, Weight=0.01787oz, Width=4mm
VT10: library part FDC86244_NMOS, Case/Package=SOT-23-6, Continuous Drain Current (ID)=2.3A, Drain to Source Breakdown Voltage=150V, Drain to Source Resistance=20mR, Gate to Source Voltage (Vgs)=20V, Input Capacitance=345pF, Manufacturer="ON Semiconductor / Fairchild", Max Operating Temperature=150°C, Max Power Dissipation=800mW, Min Operating Temperature=-55°C, Package Quantity=3000, Power Dissipation=1.6W, Supplier Part Number 1=FDC86244DKR-ND, Threshold Voltage=2.5V, Assembly Info=NF, ComponentLink1Description=http://www.st.com/web/en/resource/technical/document/datasheet/CD00103832.pdf, ComponentLink1URL=http://www.st.com/web/en/resource/technical/document/datasheet/CD00103832.pdf, ComponentLink2Description=http://www.st.com/content/ccc/resource/technical/document/datasheet/00/75/48/c3/62/90/4a/32/CD00103832.pdf/files/CD00103832.pdf/jcr:content/translations/en.CD00103832.pdf, ComponentLink2URL=http://www.st.com/content/ccc/resource/technical/document/datasheet/00/75/48/c3/62/90/4a/32/CD00103832.pdf/files/CD00103832.pdf/jcr:content/translations/en.CD00103832.pdf, ComponentLink3Description=http://www.mouser.com/ds/2/389/CD00103832-114014.pdf, ComponentLink3URL=http://www.mouser.com/ds/2/389/CD00103832-114014.pdf, ComponentLink4Description=http://www.ti.com/general/docs/lit/getliterature.tsp?genericPartNumber=CSD17527Q5A&&fileType=pdf, ComponentLink4URL=http://www.ti.com/general/docs/lit/getliterature.tsp?genericPartNumber=CSD17527Q5A&&fileType=pdf, ComponentLink5Description=http://www.ti.com/lit/ds/slps331a/slps331a.pdf, ComponentLink5URL=http://www.ti.com/lit/ds/slps331a/slps331a.pdf, ComponentLink6Description=http://www.ti.com/lit/ds/symlink/csd17527q5a.pdf, ComponentLink6URL=http://www.ti.com/lit/ds/symlink/csd17527q5a.pdf, ComponentLink7Description=http://www.ti.com/litv/slps331a, ComponentLink7URL=http://www.ti.com/litv/slps331a, ComponentLink8Description=https://www.fairchildsemi.com/datasheets/FD/FDC86244.pdf, ComponentLink8URL=https://www.fairchildsemi.com/datasheets/FD/FDC86244.pdf, ComponentLink9Description=http://www.fairchildsemi.com/ds/FD/FDC86244.pdf, ComponentLink9URL=http://www.fairchildsemi.com/ds/FD/FDC86244.pdf, ComponentLink10Description=http://www.mouser.com/ds/2/149/FDC86244-92611.pdf, ComponentLink10URL=http://www.mouser.com/ds/2/149/FDC86244-92611.pdf, Contact Plating=Matte,Tin, Drain to Source Voltage (Vdss)=150V, Element Configuration=Single, Fall Time=3.1ns, Height=1mm, Lead Free="Lead Free", Length=3mm, Manufacturer Part Number 1=FDC86244, Mount="Surface Mount", Number of Elements=1, Number of Pins=6, Packaging="Tape and Reel", Part Description="N-Channel 150V 2.3A (Ta) 1.6W (Ta) Surface Mount SuperSOT™-6", Pricing 1="1 = 1,30000, 10 = 1,15100, 100 = 0,90990, 500 = 0,70564, 1000 = 0,55709 (USD)", Radiation Hardening=No, Rds On Max=144mR, REACH SVHC="No SVHC", Rise Time=1.4ns, RoHS=Yes, Supplier 1=Digi-Key, Turn-Off Delay Time=10ns, Turn-On Delay Time=4.7ns, Weight=0.036g, Width=1.7mm
XO1: library part AOCJYR-10.000MHz, Frequency Nom, MHz=30.72, Frequency Stability +/-, ppb=20, Manufacturer=Rakon, Oscillator Case="SMD, 9.7mm x 7.5", Supplier Part Number 1=U7475LF, Supply Voltage Nom=3.3, Manufacturer Part Number 1="U7475LF 30.72MHz", Oscillator Output Compatibility=CMOS, Part Description="ROM9070SA 30.72MHz MERC+ 9x7 HOT RC2.5 3.3V PULL", Supplier 1=Rakon
XO2: library part RPT7050A, Manufacturer=Rakon, Manufacturer Part Number 1=E6245LF, Assembly Info=NF, Part Description="TCXO 30.72MHz, E6245LF", Supplier 1=Rakon, Supplier Part Number 1=E6245LF
XO3: library part TXCO, Manufacturer=Rakon, Manufacturer Part Number 1=E5280LF, Assembly Info=NF, Part Description="TCXO 30.72MHz, E5280LF", Supplier 1=Rakon, Supplier Part Number 1=E5280LF
XO4: library part Rakon_RTX5032A, Manufacturer=Rakon, Manufacturer Part Number 1=RTX5032A, Assembly Info=NF, Part Description="RTX5032A 40MHz, High performance TCXO, With VC, Filter Enabled, 10-pin 5mm x 3.2 mm x 1.65 mm package", Supplier 1=RAKON, Supplier Part Number 1=RTX5032A
XT1: library part CRYSTAL_19M2, "Oscillator Crystal 25 MHz", Manufacturer=ABRACON, Manufacturer Part Number 1=ABM8-25.000MHZ-B2-T, Supplier Part Number 1=13J1767, Part Description="25MHz ±20ppm Crystal 18pF 50 Ohm -20°C ~ 70°C Surface Mount 4-SMD, No Lead (DFN, LCC)", Supplier 1=Newark
XT2: library part CRYSTAL_19M2, "Oscillator Crystal 25 MHz", ESR (Equivalent Series Resistance)="50 Ohm", Frequency Stability=±20ppm, Frequency Tolerance=±10ppm, Load Capacitance=8pF, Manufacturer="AVX Corp/Kyocera Corp", Manufacturer Part Number 1=CX3225SB30000D0FPLCC, Operating Mode=Fundamental, Operating Temperature="-40°C ~ 85°C", Package / Case="4-SMD, No Lead (DFN, LCC)", Ratings=-, Supplier Part Number 1=1253-1368-1-ND, Category="Crystals and Oscillators", Frequency=30MHz, Height="0.024\" (0.60mm)", Mounting Type="Surface Mount", Packaging="Cut Tape (CT)", Part Description="30MHz ±10ppm Crystal 8pF 50 Ohm -40°C ~ 85°C Surface Mount 4-SMD, No Lead (DFN, LCC)", RoHS="RoHS Compliant", Size / Dimension="0.126\" L x 0.098\" W (3.20mm x 2.50mm)", Supplier 1=Digi-Key, Type="MHz Crystal"

## Free pads (board coordinates)
  round 0.8 hole 0.8 unplated: 0(9.6,0) 0(9.6,143) 0(10.775,0) 0(10.775,143) 0(11.975,0) 0(11.975,143) 0(13.175,0) 0(13.175,143) 0(61.825,0) 0(61.825,143) 0(63.025,0) 0(63.025,143) 0(64.225,0) 0(64.225,143) 0(65.4,0) 0(65.4,143) 0(75,69.725) 0(75,70.9) 0(75,72.1) 0(75,73.3)
  round 5 hole 2.5 mask+0.05: 1(14.3,32.275) 1(14.3,93.875)

## Via types
v1: diameter 0.4, hole 0.2, Top to Bottom, tented both sides, 1272 vias
v2: diameter 0.35, hole 0.2, Top to Bottom, tented both sides, 98 vias
v3: diameter 0.5, hole 0.2, Top to Bottom, tented bottom, 25 vias
v4: diameter 0.5, hole 0.2, Top to Bottom, tented both sides, 12 vias
v5: diameter 0.8, hole 0.4, Top to Bottom, tented both sides, 5 vias
v6: diameter 0.4, hole 0.2, Top to Bottom, tented top, 4 vias
v7: diameter 0.4, hole 0.2, Top to Bottom, tented bottom, 4 vias
